# KiCad board VERA-XE-HDMI-Expansion.kicad_pcb (continued)
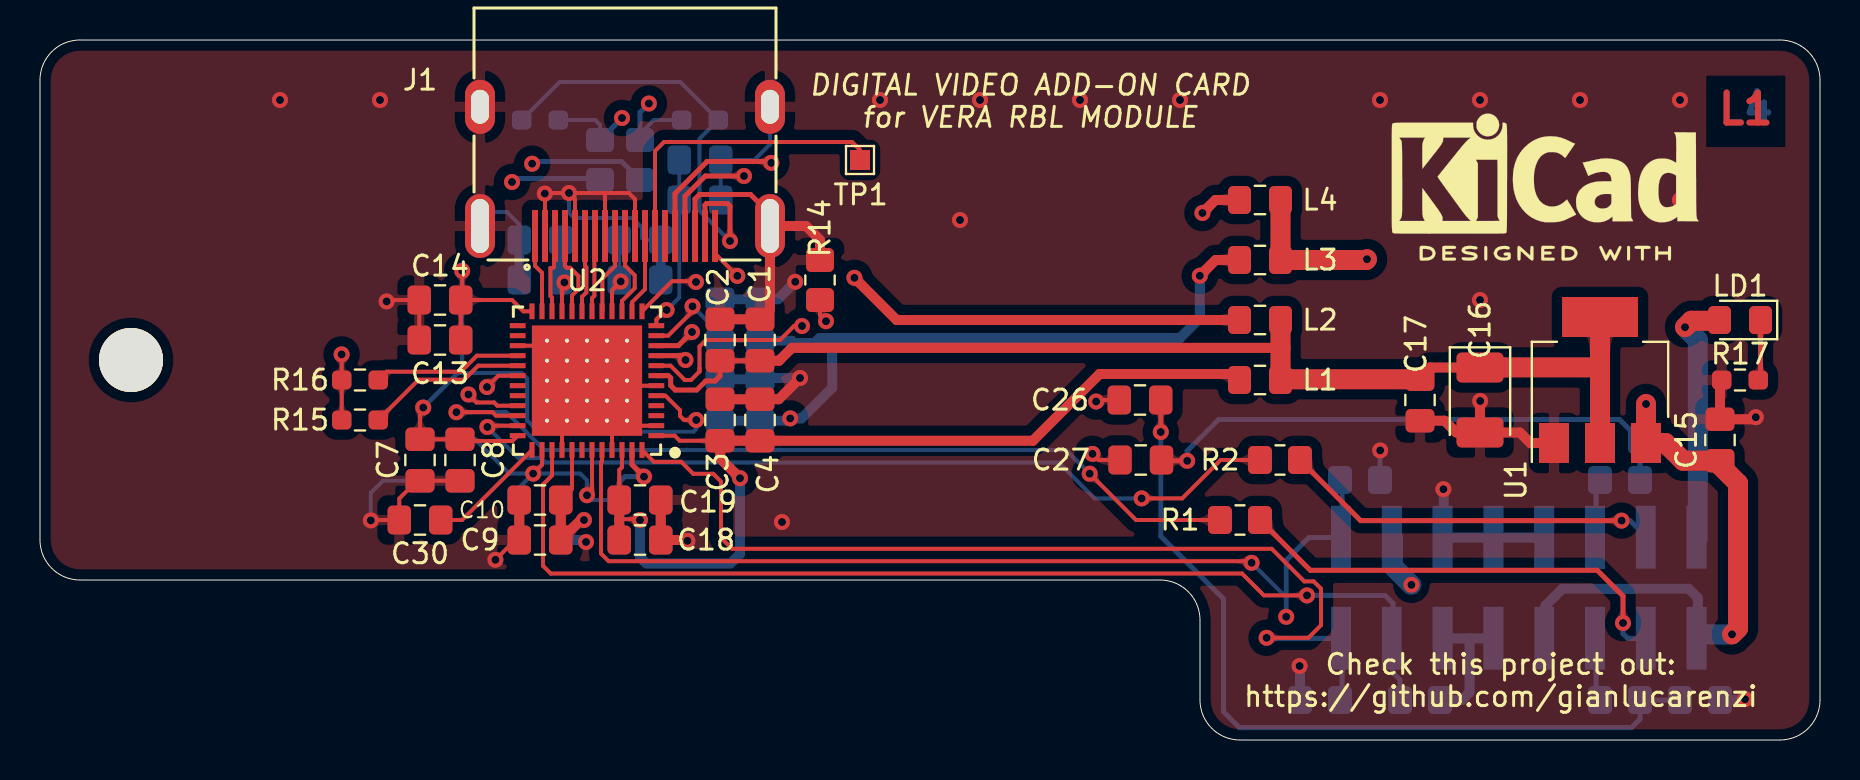
[diagram p0: board, top side]
## Copper pours and planes (outline as drawn; the poured copper is in the pictures) (continued)
Net-(R13-Pad2) on Bottom: 26.79,27.95 26.93,27.94 27.04,27.93 27.13,27.9 27.21,27.86 27.28,27.81 27.35,27.76 27.49,27.63 27.57,27.57 27.67,27.5 28.3,27.96 27.81,28.57 27.68,28.52 27.58,28.47 27.49,28.42 27.34,28.33 27.26,28.29 27.17,28.25 27.06,28.22 26.94,28.21 26.79,28.2
Net-(R14-Pad1) on Top: 39.37,21.01 39.32,21.07 39.29,21.13 39.27,21.19 39.26,21.26 39.27,21.32 39.29,21.37 39.31,21.43 39.34,21.48 39.37,21.52 39.41,21.56 39,22.3 38.59,21.56 38.65,21.5 38.71,21.45 38.76,21.39 38.98,21.13 39.06,21.05 39.14,20.96 39.23,20.87

Small or netless copper shapes (teardrops, artwork), in the pictures only: 90 on Top, 43 on Bottom, 25 on In1.Cu, 2 on In2.Cu

## Text on the board
Bottom: L4
B.SilkS: From The 8Bit Guy / computer's project
Top: L1
F.SilkS: Check this project out: / https://github.com/gianlucarenzi | DIGITAL VIDEO ADD-ON CARD / for VERA RBL MODULE
In1.Cu: L2
In2.Cu: L3
